# KiCad board B3_panel.kicad_pcb (continued)
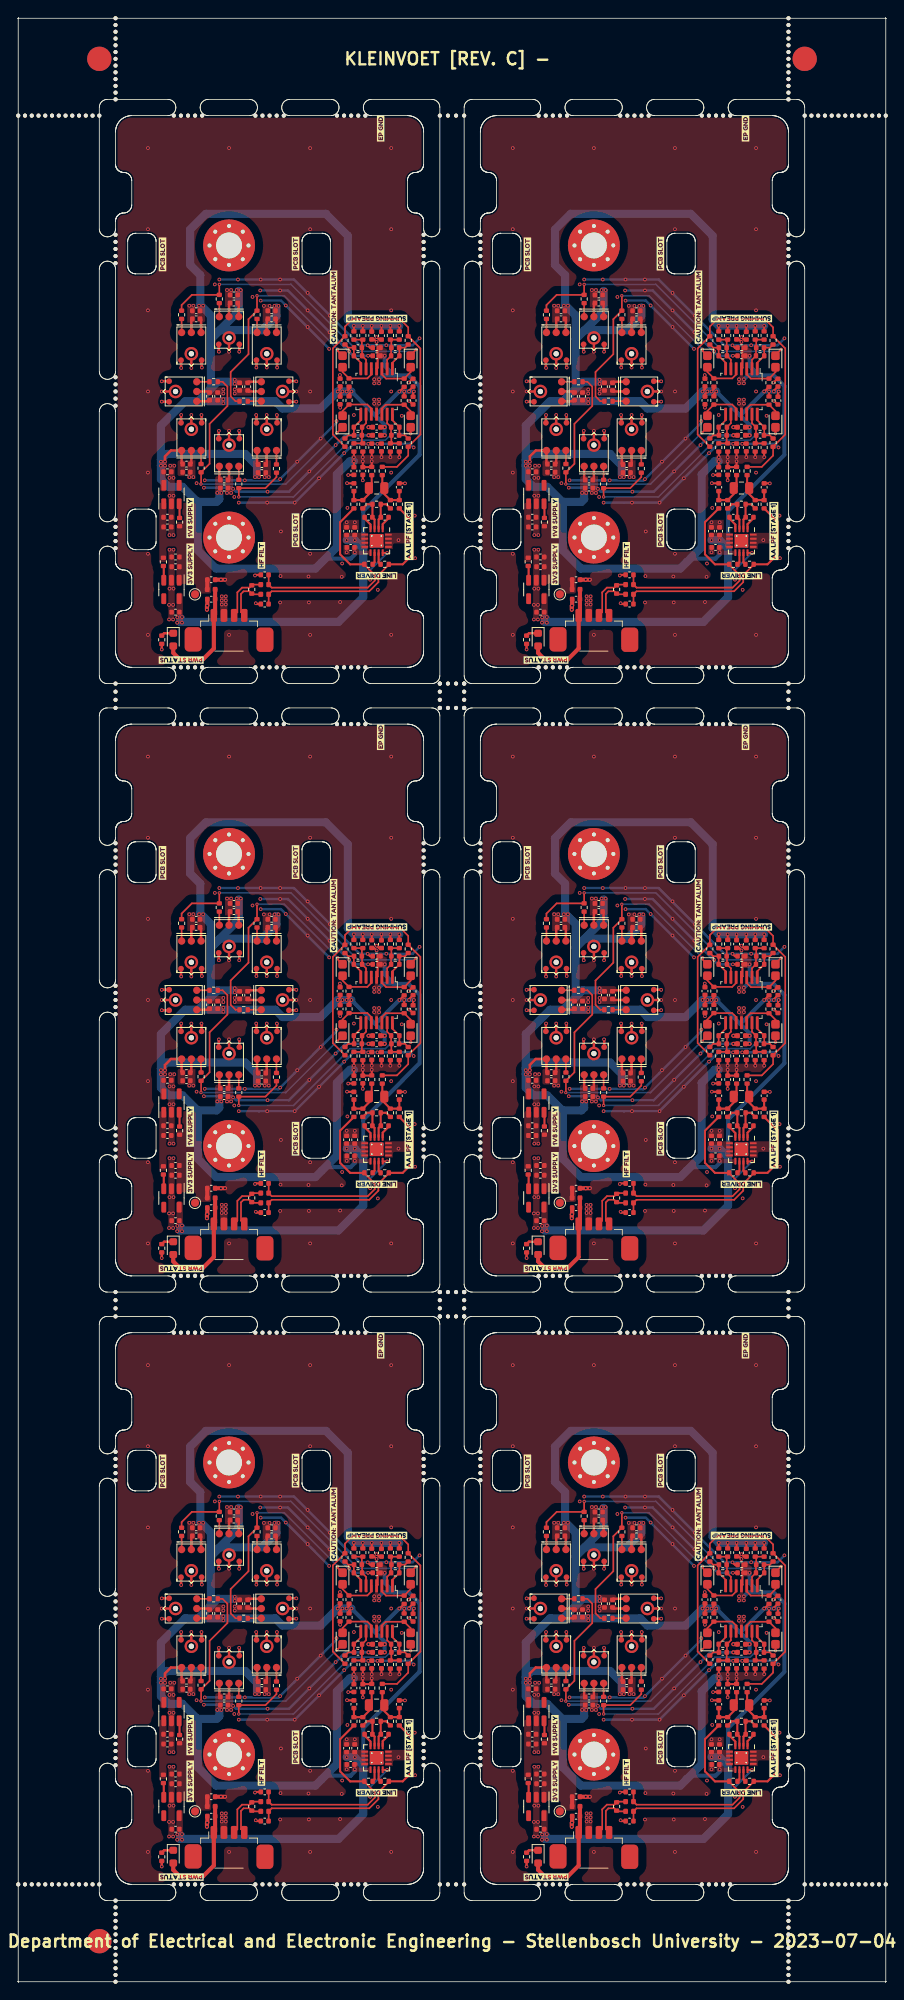
[diagram p0: board, top side]
## Nets (continued)
Board3_5-/Sensor_board/Buffer/PREAMP_B_FB: C1610.2 R1619#3.1 R1620#4.1 R1624#3.1 U1601#4.6
Board3_5-/Sensor_board/Buffer/PREAMP_B_OUT: C1610.1 R1624#3.2 R1625#5.2 U1601#4.7
Board3_5-/Sensor_board/Buffer/PREAMP_C_FB: C1612#6.2 R1631#6.1 R1632#6.1 R1634#4.1 U1601#4.9
Board3_5-/Sensor_board/Buffer/PREAMP_C_OUT: C1612#6.1 R1634#4.2 R1635#3.2 U1601#4.8
Board3_5-/Sensor_board/Buffer/PREAMP_D_FB: C1611#2.2 R1626#6.1 R1627#6.1 R1629#5.1 U1601#4.13
Board3_5-/Sensor_board/Buffer/PREAMP_D_OUT: C1611#2.1 R1629#5.2 R1630#4.2 U1601#4.14
Board3_5-/Sensor_board/Buffer/SENS_ARRAY_A: C1608#2.2 R1621#3.2 U1601#4.3
Board3_5-/Sensor_board/Buffer/SENS_ARRAY_B: C1614#3.2 R1622.2 U1601#4.5
Board3_5-/Sensor_board/Buffer/SENS_ARRAY_C: C1609.2 R1633#2.2 U1601#4.10
Board3_5-/Sensor_board/Buffer/SENS_ARRAY_D: C1613#3.2 R1628.2 U1601#4.12
Board3_5-/Sensor_board/Preamplifier/FB: C1603.1 U1701#4.4
Board3_5-/Sensor_board/Preamplifier/FDA_IN: C1602#5.2 C1604#3.2 R1604#6.1 U1701#4.2
Board3_5-/Sensor_board/Preamplifier/FDA_~{IN}: C1602#5.1 C1603.2 R1603.1 U1701#4.3
Board3_5-/Sensor_board/Preamplifier/OUT: R1607#2.2 U1701#4.10
Board3_5-/Sensor_board/Preamplifier/SIG_N: C1102#5.2 FB1102#6.2 R1606#4.1 R1608#4.1
Board3_5-/Sensor_board/Preamplifier/SIG_P: C1101#2.1 FB1101#5.2 R1605.1 R1607#2.1
Board3_5-/Sensor_board/Preamplifier/~{FB}: C1604#3.1 U1701#4.1
Board3_5-/Sensor_board/Preamplifier/~{OUT}: R1608#4.2 U1701#4.11
Board3_5-/Sensor_board/Sensor_Conn_3/SIG_CONN_N: FB1102#6.1 J1101#4.1 R1101.2
Board3_5-/Sensor_board/Sensor_Conn_3/SIG_CONN_P: FB1101#5.1 J1101#4.2 R1101.1
Board3_5-/Sensor_board/SUM_OUT_P: R1602.2 R1623#6.1 R1625#5.1 R1630#4.1 R1635#3.1
Board3_5-GND_SENSOR: C1001#6.2 C1002#3.2 C1003#5.2 C1004#5.2 C1005#3.2 C1006#2.2 C1007#6.2 C1008#3.2 C1009#3.2 C1101#2.2 C1102#5.1 C1401#6.2 C1402#6.2 C1501#4.2 C1503#6.2 C1504.2 C1505#5.2 C1506#5.2 C1507#3.2 C1508#5.2 C1605#3.1 C1606.1 C1607#2.1 CB1001#6.2 CB1002#2.2 CB1003#6.2 CB1401.2 CB1402#4.2 CB1403#4.2 CB1404#6.2 CB1405#3.2 CB1406.2 CB1407#6.2 CB1408#6.2 CB1502#6.2 CB1601#3.2 CB1602#5.2 CB1603#4.2 CB1604#4.2 CB1605#4.2 CB1606#3.2 CB1607#2.2 CB1608#3.2 CB1609#3.2 CB1610.2 H1001.1 H1002#6.1 J1101#4.3 MK1401#6.2 MK1401#6.3 MK1401#6.4 MK1401#6.6 MK1402#5.2 MK1402#5.3 MK1402#5.4 MK1402#5.6 MK1403#3.2 MK1403#3.3 MK1403#3.4 MK1403#3.6 MK1404#5.2 MK1404#5.3 MK1404#5.4 MK1404#5.6 MK1405#6.2 MK1405#6.3 MK1405#6.4 MK1405#6.6 MK1406#2.2 MK1406#2.3 MK1406#2.4 MK1406#2.6 MK1407.2 MK1407.3 MK1407.4 MK1407.6 MK1408.2 MK1408.3 MK1408.4 MK1408.6 R1002#3.2 U1001.2 U1002#3.2 U1601#4.11 U1701#4.13 U1701#4.14 U1701#4.15 U1701#4.16 U1701#4.17
Board3_5-Net-(C1601-Pad1): C1601.1 C1606.2 R1601#6.1 R1603.2 R1605.2
Board3_5-Net-(C1601-Pad2): C1601.2 C1607#2.2 R1602.1 R1604#6.2 R1606#4.2
Board3_5-Net-(D1001-K): D1001#6.1 R1002#3.1
Board3_5-Net-(U1001-EN): R1001#5.2 U1001.3
Board3_5-Net-(U1002-EN): R1003#3.2 U1002#3.3
Board3_5-unconnected-(U1001-NC-Pad4): U1001.4
Board3_5-unconnected-(U1002-NC-Pad4): U1002#3.4
Board3_5-VCC_SENSOR: C1003#5.1 D1001#6.2 FB1001#4.1 J1101#4.4

## Via types
v1: diameter 0.45, hole 0.25, Top to Bottom, 1338 vias
v2: diameter 0.4, hole 0.2, Top to Bottom, 48 vias

## Routing (per net, layer and track width the routed paths; a pad name or vN(x,y) marks a point on that pad's centre or on a via; arc(x,y) is an arc through that point)
Board3_0-/Sensor_board/VCC_FILT: length 1.2
  Top w0.5: FB1001#5.2 23.31,172.8 C1005#2.1
Board3_1-/Sensor_board/VCC_FILT: length 1.2
  Top w0.5: C1005#5.1 68.31,172.8 FB1001#6.2
Board3_2-/Sensor_board/VCC_FILT: length 1.2
  Top w0.5: C1005#6.1 23.31,97.79 FB1001#2.2
Board3_3-/Sensor_board/VCC_FILT: length 1.2
  Top w0.5: C1005.1 68.31,97.79 FB1001.2
Board3_4-/Sensor_board/VCC_FILT: length 1.2
  Top w0.5: FB1001#3.2 23.31,22.79 C1005#4.1
Board3_5-/Sensor_board/VCC_FILT: length 1.2
  Top w0.5: C1005#3.1 68.31,22.79 FB1001#4.2
Board3_0-+1V8: length 228.4
  Top w0.25: CB1605#5.1 39.7,196.3 v1(39.4,196) ; R1620#5.2 v1(41.4,204.1) ; v1(47,196) 47.03,196 R1621.1 ; CB1609#5.1 v1(43.6,204.1) ; C1009#2.1 v1(41.4,187.4) ; R1633#4.1 40.8,195.7 v1(41.1,196) ; R1627#5.2 v1(47,187.9) ; v1(48.8,196) 48.7,195.9 CB1603#5.1 ; v1(48.2,196) 48.2,196.1 CB1606#2.1 ; CB1608#6.1 v1(43.6,187.9) ; CB1604#6.1 39.7,195.7 v1(40,196) ; R1619#6.2 v1(42.5,204.1) ; R1626#2.2 v1(45.9,187.9) ; v1(43.6,187.4) R1601.2 43.57,186.68 CB1003#4.1 v1(42.5,187.4) ; R1618.2 v1(47,204.1) ; CB1610#6.1 v1(44.8,204.1) ; R1631#3.2 v1(42.5,187.9) ; R1632.2 v1(41.4,187.9) ; R1617#5.2 v1(45.9,204.1) ; v1(40.5,196) 40.8,196.3 R1622#3.1 ; v1(47.6,196) R1628#4.1 ; CB1607.1 v1(44.8,187.9)
  Top w0.3: MK1401.5 24.8,185.22 CB1405#6.1 ; v1(18.1,187.35) 18.1,188 18.83,188.73 MK1407#5.5 20.15,187.17 C1506#3.1 ; MK1404#2.5 23.48,194.8 CB1408.1 ; MK1402.5 27.2,206.78 CB1404.1 ; CB1401#2.1 29.45,187.12 MK1405#4.5 ; MK1403#2.5 28.42,197.2 CB1407#2.1 ; CB1406#2.1 31.85,204.83 MK1408#2.5 ; MK1406#6.5 22.55,204.83 CB1402#2.1
  Top w0.5: C1008#6.1 v1(45.2,190.6) ; C1004.1 v1(45.2,191.6)
  Bottom w0.5: 44.05,193.05 v1(47,196) v1(48.2,196) v1(48.8,196) ; 44.05,193.05 v1(41.1,196) ; 44.05,193.05 45.2,191.9 v1(45.2,190.6) ; 37.44,174.96 37.88,175.4 41,175.4 41,175.4 41.51,175.91 v1(41.51,176.18)
  Bottom w1: 23.75,196.35 22.2,194.8 20.6,194.8 17.6,191.8 v1(17.6,186.85) ; 23.75,196.35 23.75,205.37 22.45,206.67 22.45,210.35 21.2,211.6 21.2,215.95 23.15,217.9 37.95,217.9 40.65,215.2 40.65,204.85 v1(41.4,204.1) v1(47,204.1) ; 23.75,196.35 24.6,197.2 26.6,197.2 ; 31.85,206.35 31.85,205.33 30.07,203.55 24.85,203.55 23.75,202.45 27.2,205.9 27.2,208.4 ; 24.8,183.38 24.8,182.72 24.48,182.4 22.1,182.4 ; 22.1,182.4 22.17,182.33 22.17,176.41 24.41,174.17 36.65,174.17 39.3,176.82 39.3,185.8 40.9,187.4 v1(41.4,187.4) ; 22.1,182.4 20.25,184.25 18.55,184.25 17.6,185.2 v1(17.6,186.85) ; 29.45,185.75 29.45,186.85 28,188.3 18.3,188.3 17.6,187.6 v1(17.6,186.85) ; 22.3,194.8 31.7,194.8 32.6,193.9 37.3,193.9 v1(39.4,196) v1(41.1,196)
  vias: v1(17.6,187.35) v1(18.1,186.85) v1(22.3,206.57) v1(22.8,206.57) v1(24.55,183.5) v1(25.05,183.5) v1(25.3,195.05) v1(25.3,194.55) v1(26.7,197.45) v1(26.7,196.95) v1(26.95,208.5) v1(27.45,208.5) v1(29.2,185.45) v1(29.7,185.45) v1(31.6,206.55) v1(32.1,206.55)
Board3_0-+3.3V_SENSOR: length 72.6
  Top w0.25: 44.32,200.4 44.32,201.55 ; 44.32,200.4 44.32,198.93 U1601#6.4 ; 44.32,200.4 CB1502.1 ; U1701#6.12 44.99,176.1 v1(45.5,176.1)
  Bottom w0.25: v1(45.5,176.1) 42.55,173.15 42.55,172.75
  Bottom w0.5: v1(44.5,197.5) 45,198 46.35,198 ; 46.35,198 45.2,199.15 v1(45.2,200.4) ; 46.35,198 48.15,198 49.5,196.65 49.5,188.2 42.55,181.25 42.55,176.64
  Bottom w1: v1(40.51,177.68) v1(41.51,177.68) 42.55,176.64 42.55,170.65 39.5,167.6 19.95,167.6 19.95,167.85 20.1,168
  vias: v1(19.62,168.16) v1(19.6,167.5) v1(20.2,168.2) v1(20.2,167.5) v1(43.9,197.5) v1(43.9,197) v1(44.5,197)
Board3_0-/Sensor_board/Buffer/IN0: length 1.6
  Top w0.2: MK1404#2.1 R1609#6.1
Board3_0-/Sensor_board/Buffer/IN1: length 1.7
  Top w0.2: R1614.1 MK1406#6.1
Board3_0-/Sensor_board/Buffer/IN2: length 1.7
  Top w0.2: R1611#3.1 MK1402.1
Board3_0-/Sensor_board/Buffer/IN3: length 1.7
  Top w0.2: R1616#3.1 MK1408#2.1
Board3_0-/Sensor_board/Buffer/IN4: length 1.7
  Top w0.2: R1610#3.1 MK1403#2.1
Board3_0-/Sensor_board/Buffer/IN5: length 1.7
  Top w0.2: MK1405#4.1 R1613#3.1
Board3_0-/Sensor_board/Buffer/IN6: length 1.7
  Top w0.2: MK1401.1 R1612.1
Board3_0-/Sensor_board/Buffer/IN7: length 1.7
  Top w0.2: MK1407#5.1 R1615#5.1
Board3_0-/Sensor_board/Buffer/PAIR_A: length 36
  Top w0.2: R1614.2 20.15,206.65 21.41,207.91 R1611#3.2 v2(24.8,209.2) ; 48.4,200.5 49.09,201.19 v2(49.1,201.19)
  Bottom w0.2: v2(49.1,201.19) 48.86,200.95 41.9,200.95 33.65,209.2 v2(24.8,209.2)
Board3_0-/Sensor_board/Buffer/PAIR_B: length 28.8
  Top w0.2: 40,200.4 39.4,201 v2(39.4,201.2) ; v2(29.45,207.8) R1616#3.2 28.4,204.91 28.4,200.6 26.2,198.4 26.2,195.4 26.8,194.8 R1610#3.2
  Bottom w0.2: v2(39.4,201.2) 32.8,207.8 v2(29.45,207.8)
Board3_0-/Sensor_board/Buffer/PAIR_C: length 35.2
  Top w0.2: R1609#6.2 25.2,197.2 25.8,196.6 25.8,194.21 23.6,192.01 23.6,187.09 R1615#5.2 22.55,184.6 v2(22.54,184.59) ; v2(39.3,190.9) 39.31,190.9 C1609#2.1
  Bottom w0.2: v2(22.54,184.59) 32.99,184.59 v2(39.3,190.9)
Board3_0-/Sensor_board/Buffer/PAIR_D: length 32.1
  Top w0.2: v2(48.4,190.8) C1613#5.1 ; v2(27.2,183) R1612.2 30.49,184.09 31.85,185.45 R1613#3.2
  Bottom w0.2: v2(27.2,183) 33.95,183 40.95,190 45.28,190 46.07,190.8 v2(48.4,190.8)
Board3_0-/Sensor_board/Buffer/PREAMP_A_FB: length 5
  Top w0.2: R1618.1 R1617#5.1 46.02,202.27 C1502#6.2 45.99,201.37 R1514#3.1 45.5,199.91 U1601#6.2
Board3_0-/Sensor_board/Buffer/PREAMP_A_OUT: length 4.3
  Top w0.2: R1623#2.2 47.71,201.4 C1502#6.1 47.01,201.37 R1514#3.2 46.15,199.54 U1601#6.1
Board3_0-/Sensor_board/Buffer/PREAMP_B_FB: length 5
  Top w0.2: R1620#5.1 R1619#6.1 42.38,202.27 C1610#4.2 42.41,201.37 R1624#5.1 42.9,199.91 U1601#6.6
Board3_0-/Sensor_board/Buffer/PREAMP_B_OUT: length 4.3
  Top w0.2: R1625#6.2 40.69,201.4 C1610#4.1 41.39,201.37 R1624#5.2 42.25,199.54 U1601#6.7
Board3_0-/Sensor_board/Buffer/PREAMP_C_FB: length 5
  Top w0.2: R1632.1 R1631#3.1 42.38,189.73 C1612#5.2 42.41,190.63 R1634#3.1 42.9,192.09 U1601#6.9
Board3_0-/Sensor_board/Buffer/PREAMP_C_OUT: length 4.3
  Top w0.2: R1635#2.2 40.69,190.6 C1612#5.1 41.39,190.63 R1634#3.2 42.25,192.46 U1601#6.8
Board3_0-/Sensor_board/Buffer/PREAMP_D_FB: length 5
  Top w0.2: R1627#5.1 R1626#2.1 46.02,189.73 C1611#5.2 45.99,190.63 R1629#4.1 45.5,192.09 U1601#6.13
Board3_0-/Sensor_board/Buffer/PREAMP_D_OUT: length 4.3
  Top w0.2: U1601#6.14 46.15,192.46 R1629#4.2 47.01,190.63 C1611#5.1 47.71,190.6 R1630#5.2
Board3_0-/Sensor_board/Buffer/SENS_ARRAY_A: length 5.4
  Top w0.2: C1608#6.2 48.4,198.39 R1621.2 45.36,197.59 44.85,198.1 U1601#6.3
Board3_0-/Sensor_board/Buffer/SENS_ARRAY_B: length 5.4
  Top w0.2: U1601#6.5 43.55,198.1 43.06,197.61 R1622#3.2 40,198.41 C1614#5.2
Board3_0-/Sensor_board/Buffer/SENS_ARRAY_C: length 5.4
  Top w0.2: C1609#2.2 40,193.59 R1633#4.2 43.06,194.39 43.55,193.9 U1601#6.10
Board3_0-/Sensor_board/Buffer/SENS_ARRAY_D: length 5.3
  Top w0.2: U1601#6.12 44.85,193.9 45.32,194.37 R1628#4.2 48.4,193.57 C1613#5.2
Board3_0-/Sensor_board/Preamplifier/FB: length 1.7
  Top w0.25: C1603#6.1 42.72,180.33 43.45,179.6 U1701#6.4
Board3_0-/Sensor_board/Preamplifier/FDA_IN: length 4.6
  Top w0.25: U1701#6.2 44.45,180.23 C1604#2.2 44.71,180.51 C1602#6.2 45.39,182.1 R1604#2.1
Board3_0-/Sensor_board/Preamplifier/FDA_~{IN}: length 4.6
  Top w0.25: U1701#6.3 43.95,180.23 C1603#6.2 43.69,180.51 C1602#6.1 43.01,182.1 R1603#5.1
Board3_0-/Sensor_board/Preamplifier/OUT: length 1.5
  Top w0.25: U1701#6.10 43.95,174.94 R1607#6.2
Board3_0-/Sensor_board/Preamplifier/SIG_N: length 27.8
  Top w0.2: C1102#2.2 30.88,169.81 30.88,171 31.26,171.37 43.29,171.37 44.43,172.51 44.43,173.37 45.71,174.65 R1608.1
  Top w0.25: R1606#5.1 48.66,179.93 48.66,175.94 47.42,174.7 45.78,174.7
Board3_0-/Sensor_board/Preamplifier/SIG_P: length 27.1
  Top w0.2: C1101#4.1 30.88,173.39 30.88,172.2 31.26,171.83 43.11,171.83 43.97,172.69 43.97,173.37 42.69,174.65 R1607#6.1
  Top w0.25: 42.57,174.69 40.94,174.69 39.7,175.93 39.7,179.89 R1605#2.1
Board3_0-/Sensor_board/Preamplifier/~{FB}: length 1.7
  Top w0.25: C1604#2.1 45.68,180.38 44.95,179.65 U1701#6.1
Board3_0-/Sensor_board/Preamplifier/~{OUT}: length 1.5
  Top w0.25: U1701#6.11 44.45,174.94 R1608.2
Board3_0-/Sensor_board/Sensor_Conn_3/SIG_CONN_N: length 5.5
  Top w0.2: FB1102.1 28.89,171 R1101#2.2 28.52,171.37 27.79,171.37 27.47,171.06 27.47,168.8 J1101.1
Board3_0-/Sensor_board/Sensor_Conn_3/SIG_CONN_P: length 6.3
  Top w0.2: J1101.2 27.03,168.8 27.03,171.24 27.61,171.83 28.52,171.83 R1101#2.1 28.89,172.2 FB1101#2.1
Board3_0-/Sensor_board/SUM_OUT_P: length 45.6
  Top w0.2: R1635#2.1 38.8,190.69 38.8,201.31 R1625#6.1 40.3,204 41.2,204.9 47.1,204.9 48.1,203.9 R1623#2.1 49.6,201.31 49.6,190.69 R1630#5.1 48.1,188.1 46.71,186.71 44.8,186.71
Board3_0-GND_SENSOR: length 175.3
  Top w0.25: v1(48.24,194.82) 48.66,194.4 CB1603#5.2 ; C1606#5.1 40.57,184.68 v1(40.55,184.7) ; v1(29.3,169.9) 29.4,169.8 C1102#2.1 ; v1(39.7,194) 39.7,194 CB1604#6.2 ; v1(44.2,202.7) 44.5,202.4 CB1610#6.2 ; C1607#5.1 47.69,184.68 v1(47.7,184.68) ; C1009#2.2 40.72,185.72 v1(40.7,185.7) ; v1(44.2,202.1) 43.88,202.42 CB1609#5.2 ; v1(43.17,189.55) 43.2,189.58 CB1608#6.2 ; v1(48.15,197.1) 48.61,197.56 CB1606#2.2 ; v1(43.1,201.69) 43.39,201.4 C1504#6.2 ; CB1003#4.2 v1(42.5,185.05) ; v1(44.3,189.55) 44.33,189.58 CB1607.2 ; v1(39.68,198.03) 39.7,198 CB1605#5.2 ; C1101#4.2 29.28,173.4 v1(29.2,173.32) ; CB1502.2 v1(43.15,200.4)
  Top w0.3: v1(27.25,200.9) 27.27,200.92 MK1402.4 ; CB1408.2 23.48,196 MK1404#2.6 ; v1(17.7,197.25) 17.72,197.27 MK1404#2.2 ; MK1401.2 27.27,191.13 v1(27.25,191.15) ; v1(29.38,198.95) 29.38,198.95 MK1408#2.2 ; MK1405#4.3 v1(30.65,193.1) ; v1(29.35,193.1) 29.38,193.07 MK1405#4.4 ; C1506#3.2 21.35,187.17 MK1407#5.6 ; MK1406#6.2 20.08,198.92 v1(20.1,198.9) ; MK1402.6 26,206.78 CB1404.2 ; v1(22.6,193.1) 22.62,193.08 MK1407#5.2 ; CB1401#2.2 30.65,187.12 MK1405#4.6 ; v1(24.75,191.15) 24.73,191.13 MK1401.4 ; MK1406#6.6 21.35,204.83 CB1402#2.2 ; MK1401.6 26,185.22 CB1405#6.2 ; R1002#2.2 v1(17.7,164.2) ; MK1403#2.4 34.28,197.27 v1(34.3,197.25) ; v1(17.7,194.75) 17.72,194.73 MK1404#2.4 ; MK1402.2 24.73,200.92 v1(24.75,200.9) ; v1(31.9,193.1) 31.92,193.08 MK1405#4.2 ; CB1406#2.2 30.65,204.83 MK1408#2.6 ; MK1402.3 v1(26,200.9) ; MK1401.3 v1(26,191.15) ; MK1408#2.4 31.92,198.95 v1(31.93,198.95) ; MK1403#2.2 34.28,194.73 v1(34.3,194.75) ; MK1404#2.3 v1(17.7,196) ; v1(20.1,193.1) 20.08,193.08 MK1407#5.4 ; MK1408#2.3 v1(30.65,198.95) ; MK1403#2.3 v1(34.3,196) ; MK1406#6.4 22.62,198.98 v1(22.65,198.95) ; MK1407#5.3 v1(21.35,193.1) ; MK1406#6.3 v1(21.35,198.9) ; CB1407#2.2 28.42,196 MK1403#2.6
  Top w0.5: v1(23.28,169.1) 23.28,169.57 v1(23.3,169.6) 23.32,169.62 C1003#4.2 ; C1004.2 v1(43.2,191.6) ; C1005#2.2 v1(25,172.8) v1(25.5,172.8) ; C1008#6.2 v1(43.2,190.6)
  Bottom w0.2: 28.9,185 31.2,185
  Bottom w0.3: v1(22.9,184.14) 22.91,184.15 24.48,184.15 24.48,184.15 25.12,184.15 25.12,184.15 26.35,184.15 v1(26.5,184) 26.85,183.65 v1(30.75,183.65) 33.4,183.65 v1(35.9,186.15) v1(39.15,189.4) 40.35,190.6 v1(43.2,190.6) ; v1(39.25,192.35) 39.25,192.15 v1(37.3,190.2) 34.45,187.35 v1(34.4,187.35) 34.4,187.3 v1(32.3,185.2) 32.1,185 31.2,185 ; v1(49.5,202.55) 48.64,201.69 45.41,201.69 v1(45.4,201.7) 45.39,201.69 v1(43.1,201.69) 43.09,201.7 42.1,201.7 v1(38.45,205.35) 35.7,208.1 v1(35.7,208.15) 35.65,208.15 34,209.8 v1(32.3,209.8) v1(29.9,209.8) v1(27.1,209.8) v1(24.8,209.8) ; v1(38.35,201.25) 38.35,201.25 35.7,203.9 v1(35.7,203.95) 35.65,203.95 v1(33,206.6) 32.4,207.2 29.9,207.2 v1(29.9,207.2) ; v1(23,185.05) v1(27.95,185.05) 28.85,185.05 ; v1(43.15,200.4) 41.3,200.4 40.82,200.88 v1(40.82,200.95) 40.75,200.95 v1(38.4,203.3) v1(35.7,206) 33.25,208.45 v1(32.3,208.45) v1(29.85,208.45) ; v1(48.77,189.1) 48.32,189.55 v1(43.17,189.55) 41.35,189.55 v1(40.2,188.4) v1(37.1,185.3) v1(34.1,182.3) v1(27.2,182.3)
  vias: v1(16,226) v1(16,216) v1(16,206) v1(16,196) v1(16,186) v1(16,176) v1(16,166) v1(18.6,169.7) v1(18.6,167.9) v1(18.75,186.85) v1(18.65,185.35) v1(18.65,183.15) v1(18.65,178.3) v1(18.65,176.5) v1(18.65,171.7) v1(19.1,169.7) v1(19.1,167.9) v1(19.15,185.35) v1(19.15,183.15) v1(19.15,178.3) v1(19.15,176.5) v1(19.15,171.7) v1(19.25,186.85) v1(21.1,206.57) v1(21.1,185.45) v1(21.6,206.57) v1(21.6,185.45) v1(22,184.7) v1(24.25,209.2) v1(25.1,170.75) v1(25.1,170.25) v1(25.1,169.75) v1(25.3,196.25) v1(25.3,195.75) v1(25.6,170.75) v1(25.6,170.25) v1(25.6,169.75) v1(25.75,208.5) v1(25.75,183.5) v1(26,226) v1(26,166) v1(26.25,208.5) v1(26.25,183.5) v1(26.65,183) v1(26.7,196.25) v1(26.7,195.75) v1(28.9,207.65) v1(30.3,206.55) v1(30.4,185.45) v1(30.7,182.3) v1(30.9,185.45) v1(31,206.55) v1(32.35,173.25) v1(32.3,170) v1(32.4,178.75) v1(35.8,173.2) v1(35.85,170) v1(36,226) v1(36,216) v1(36,196) v1(36,176) v1(36,166) v1(39.7,170.05) v1(39.95,174.8) v1(39.9,173.15) v1(40.51,179.88) v1(40.51,176.18) v1(40.6,181.65) v1(41.4,193.1) v1(41.51,179.88) v1(43.4,172.8) v1(43.9,195) v1(43.9,194.5) v1(44.35,171.55) v1(44.5,195) v1(44.5,194.5) v1(46,226) v1(46,216) v1(46,206) v1(46,196) v1(46,186) v1(46,166) v1(46.9,177.68) v1(47.3,193) v1(47.9,177.68) v1(48.9,180.7) v1(48.95,175.45)
Board3_0-Net-(C1601-Pad1): length 5.7
  Top w0.25: R1601.1 43.6,184.28 43.43,184.1 43.43,183.53 R1603#5.2 R1605#2.2 C1606#5.2
Board3_0-Net-(C1601-Pad2): length 5.7
  Top w0.25: R1602#3.1 44.9,184.18 44.97,184.1 44.97,183.53 R1604#2.2 R1606#5.2 C1607#5.2
Board3_0-Net-(D1001-K): length 1.5
  Top w0.3: R1002#2.1 18,166.2 D1001#2.1
Board3_0-Net-(U1001-EN): length 1.8
  Top w0.25: R1001.2 19.9,182.11 U1001#3.3
Board3_0-Net-(U1002-EN): length 1.8
  Top w0.25: R1003#4.2 17.95,174.44 U1002#6.3
Board3_0-VCC_SENSOR: length 14.1
  Top w0.5: D1001#2.2 19.12,163.78 19.9,163 22.8,163 24.12,164.32 J1101.4 24.28,168.56 C1003#4.1 24.28,171.59 24.28,171.6
Board3_1-+1V8: length 228.4
  Top w0.25: CB1603#2.1 93.7,195.9 v1(93.8,196) ; CB1609#6.1 v1(88.6,204.1) ; v1(92.6,196) R1628#2.1 ; R1627#2.2 v1(92,187.9) ; R1631#4.2 v1(87.5,187.9) ; CB1607#6.1 v1(89.8,187.9) ; R1632#2.2 v1(86.4,187.9) ; v1(86.1,196) 85.8,195.7 R1633#5.1 ; R1621#6.1 92.03,196 v1(92,196) ; v1(84.4,196) 84.7,196.3 CB1605#6.1 ; v1(85.5,196) 85.8,196.3 R1622#5.1 ; R1619#5.2 v1(87.5,204.1) ; CB1610#5.1 v1(89.8,204.1) ; R1620#6.2 v1(86.4,204.1) ; R1618#6.2 v1(92,204.1) ; R1626.2 v1(90.9,187.9) ; v1(87.5,187.4) CB1003#3.1 88.57,186.68 R1601#3.2 v1(88.6,187.4) ; CB1606#5.1 93.2,196.1 v1(93.2,196) ; CB1608#2.1 v1(88.6,187.9) ; CB1604#2.1 84.7,195.7 v1(85,196) ; R1617#4.2 v1(90.9,204.1) ; C1009#6.1 v1(86.4,187.4)
  Top w0.3: CB1401#5.1 74.45,187.12 MK1405#3.5 ; CB1405#5.1 69.8,185.22 MK1401#3.5 ; MK1406.5 67.55,204.83 CB1402.1 ; C1506#4.1 65.15,187.17 MK1407#3.5 63.83,188.73 63.1,188 v1(63.1,187.35) ; CB1406#5.1 76.85,204.83 MK1408#3.5 ; MK1403#4.5 73.42,197.2 CB1407#3.1 ; CB1404#4.1 72.2,206.78 MK1402#3.5 ; CB1408#2.1 68.48,194.8 MK1404#6.5
  Top w0.5: C1008.1 v1(90.2,190.6) ; C1004#3.1 v1(90.2,191.6)
  Bottom w0.5: v1(86.1,196) 89.05,193.05 ; 89.05,193.05 90.2,191.9 v1(90.2,190.6) ; 89.05,193.05 v1(92,196) v1(93.2,196) v1(93.8,196) ; v1(86.51,176.18) 86.51,175.91 86,175.4 86,175.4 82.88,175.4 82.44,174.96
  Bottom w1: v1(92,204.1) v1(86.4,204.1) 85.65,204.85 85.65,215.2 82.95,217.9 68.15,217.9 66.2,215.95 66.2,211.6 67.45,210.35 67.45,206.67 68.75,205.37 68.75,196.35 ; 72.2,208.4 72.2,205.9 68.75,202.45 69.85,203.55 75.07,203.55 76.85,205.33 76.85,206.35 ; v1(86.1,196) v1(84.4,196) 82.3,193.9 77.6,193.9 76.7,194.8 67.3,194.8 ; v1(62.6,186.85) 62.6,191.8 65.6,194.8 67.2,194.8 68.75,196.35 ; v1(62.6,186.85) 62.6,187.6 63.3,188.3 73,188.3 74.45,186.85 74.45,185.75 ; v1(62.6,186.85) 62.6,185.2 63.55,184.25 65.25,184.25 67.1,182.4 ; 67.1,182.4 67.17,182.33 67.17,176.41 69.41,174.17 81.65,174.17 84.3,176.82 84.3,185.8 85.9,187.4 v1(86.4,187.4) ; 67.1,182.4 69.48,182.4 69.8,182.72 69.8,183.38 ; 68.75,196.35 69.6,197.2 71.6,197.2
  vias: v1(62.6,187.35) v1(63.1,186.85) v1(67.3,206.57) v1(67.8,206.57) v1(69.55,183.5) v1(70.05,183.5) v1(70.3,195.05) v1(70.3,194.55) v1(71.7,197.45) v1(71.7,196.95) v1(71.95,208.5) v1(72.45,208.5) v1(74.2,185.45) v1(74.7,185.45) v1(76.6,206.55) v1(77.1,206.55)
Board3_1-+3.3V_SENSOR: length 72.6
  Top w0.25: 89.32,200.4 89.32,201.55 ; 89.32,200.4 89.32,198.93 U1601#3.4 ; 89.32,200.4 CB1502#2.1 ; U1701#3.12 89.99,176.1 v1(90.5,176.1)
  Bottom w0.25: 87.55,172.75 87.55,173.15 v1(90.5,176.1)
  Bottom w0.5: v1(89.5,197.5) 90,198 91.35,198 ; 91.35,198 90.2,199.15 v1(90.2,200.4) ; 91.35,198 93.15,198 94.5,196.65 94.5,188.2 87.55,181.25 87.55,176.64
  Bottom w1: 65.1,168 64.95,167.85 64.95,167.6 84.5,167.6 87.55,170.65 87.55,176.64 v1(86.51,177.68) v1(85.51,177.68)
  vias: v1(64.62,168.16) v1(64.6,167.5) v1(65.2,168.2) v1(65.2,167.5) v1(88.9,197.5) v1(88.9,197) v1(89.5,197)
Board3_1-/Sensor_board/Buffer/IN0: length 1.6
  Top w0.2: MK1404#6.1 R1609#4.1
Board3_1-/Sensor_board/Buffer/IN1: length 1.7
  Top w0.2: R1614#4.1 MK1406.1
Board3_1-/Sensor_board/Buffer/IN2: length 1.7
  Top w0.2: R1611#6.1 MK1402#3.1
Board3_1-/Sensor_board/Buffer/IN3: length 1.7
  Top w0.2: R1616#6.1 MK1408#3.1
Board3_1-/Sensor_board/Buffer/IN4: length 1.7
  Top w0.2: R1610#2.1 MK1403#4.1
Board3_1-/Sensor_board/Buffer/IN5: length 1.7
  Top w0.2: MK1405#3.1 R1613#6.1
Board3_1-/Sensor_board/Buffer/IN6: length 1.7
  Top w0.2: MK1401#3.1 R1612#2.1
Board3_1-/Sensor_board/Buffer/IN7: length 1.7
  Top w0.2: MK1407#3.1 R1615#6.1
Board3_1-/Sensor_board/Buffer/PAIR_A: length 36
  Top w0.2: R1614#4.2 65.15,206.65 66.41,207.91 R1611#6.2 v2(69.8,209.2) ; 93.4,200.5 94.09,201.19 v2(94.1,201.19)
  Bottom w0.2: v2(69.8,209.2) 78.65,209.2 86.9,200.95 93.86,200.95 v2(94.1,201.19)
Board3_1-/Sensor_board/Buffer/PAIR_B: length 28.8
  Top w0.2: 85,200.4 84.4,201 v2(84.4,201.2) ; v2(74.45,207.8) R1616#6.2 73.4,204.91 73.4,200.6 71.2,198.4 71.2,195.4 71.8,194.8 R1610#2.2
  Bottom w0.2: v2(74.45,207.8) 77.8,207.8 v2(84.4,201.2)
Board3_1-/Sensor_board/Buffer/PAIR_C: length 35.2
  Top w0.2: C1609#5.1 84.31,190.9 v2(84.3,190.9) ; R1609#4.2 70.2,197.2 70.8,196.6 70.8,194.21 68.6,192.01 68.6,187.09 R1615#6.2 67.55,184.6 v2(67.54,184.59)
  Bottom w0.2: v2(67.54,184.59) 77.99,184.59 v2(84.3,190.9)
Board3_1-/Sensor_board/Buffer/PAIR_D: length 32.1
  Top w0.2: v2(93.4,190.8) C1613#4.1 ; R1613#6.2 76.85,185.45 75.49,184.09 R1612#2.2 v2(72.2,183)
  Bottom w0.2: v2(72.2,183) 78.95,183 85.95,190 90.28,190 91.07,190.8 v2(93.4,190.8)
Board3_1-/Sensor_board/Buffer/PREAMP_A_FB: length 5
  Top w0.2: U1601#3.2 90.5,199.91 R1514#2.1 90.99,201.37 C1502#2.2 91.02,202.27 R1617#4.1 R1618#6.1
Board3_1-/Sensor_board/Buffer/PREAMP_A_OUT: length 4.3
  Top w0.2: R1623#3.2 92.71,201.4 C1502#2.1 92.01,201.37 R1514#2.2 91.15,199.54 U1601#3.1
Board3_1-/Sensor_board/Buffer/PREAMP_B_FB: length 5
  Top w0.2: U1601#3.6 87.9,199.91 R1624#4.1 87.41,201.37 C1610#3.2 87.38,202.27 R1619#5.1 R1620#6.1
Board3_1-/Sensor_board/Buffer/PREAMP_B_OUT: length 4.3
  Top w0.2: R1625#3.2 85.69,201.4 C1610#3.1 86.39,201.37 R1624#4.2 87.25,199.54 U1601#3.7
Board3_1-/Sensor_board/Buffer/PREAMP_C_FB: length 5
  Top w0.2: U1601#3.9 87.9,192.09 R1634#6.1 87.41,190.63 C1612.2 87.38,189.73 R1631#4.1 R1632#2.1
Board3_1-/Sensor_board/Buffer/PREAMP_C_OUT: length 4.3
  Top w0.2: R1635#4.2 85.69,190.6 C1612.1 86.39,190.63 R1634#6.2 87.25,192.46 U1601#3.8
Board3_1-/Sensor_board/Buffer/PREAMP_D_FB: length 5
  Top w0.2: U1601#3.13 90.5,192.09 R1629#3.1 90.99,190.63 C1611#3.2 91.02,189.73 R1626.1 R1627#2.1
Board3_1-/Sensor_board/Buffer/PREAMP_D_OUT: length 4.3
  Top w0.2: U1601#3.14 91.15,192.46 R1629#3.2 92.01,190.63 C1611#3.1 92.71,190.6 R1630.2
Board3_1-/Sensor_board/Buffer/SENS_ARRAY_A: length 5.4
  Top w0.2: U1601#3.3 89.85,198.1 90.36,197.59 R1621#6.2 93.4,198.39 C1608#4.2
Board3_1-/Sensor_board/Buffer/SENS_ARRAY_B: length 5.4
  Top w0.2: C1614#2.2 85,198.41 R1622#5.2 88.06,197.61 88.55,198.1 U1601#3.5
Board3_1-/Sensor_board/Buffer/SENS_ARRAY_C: length 5.4
  Top w0.2: C1609#5.2 85,193.59 R1633#5.2 88.06,194.39 88.55,193.9 U1601#3.10
Board3_1-/Sensor_board/Buffer/SENS_ARRAY_D: length 5.3
  Top w0.2: U1601#3.12 89.85,193.9 90.32,194.37 R1628#2.2 93.4,193.57 C1613#4.2
Board3_1-/Sensor_board/Preamplifier/FB: length 1.7
  Top w0.25: U1701#3.4 88.45,179.6 87.72,180.33 C1603#2.1
Board3_1-/Sensor_board/Preamplifier/FDA_IN: length 4.6
  Top w0.25: R1604#3.1 90.39,182.1 C1602#4.2 89.71,180.51 C1604#6.2 89.45,180.23 U1701#3.2
Board3_1-/Sensor_board/Preamplifier/FDA_~{IN}: length 4.6
  Top w0.25: U1701#3.3 88.95,180.23 C1603#2.2 88.69,180.51 C1602#4.1 88.01,182.1 R1603#4.1
Board3_1-/Sensor_board/Preamplifier/OUT: length 1.5
  Top w0.25: U1701#3.10 88.95,174.94 R1607.2
Board3_1-/Sensor_board/Preamplifier/SIG_N: length 27.8
  Top w0.2: C1102#4.2 75.88,169.81 75.88,171 76.26,171.37 88.29,171.37 89.43,172.51 89.43,173.37 90.71,174.65 R1608#6.1
  Top w0.25: 90.78,174.7 92.42,174.7 93.66,175.94 93.66,179.93 R1606#2.1
Board3_1-/Sensor_board/Preamplifier/SIG_P: length 27.1
  Top w0.2: C1101#3.1 75.88,173.39 75.88,172.2 76.26,171.83 88.11,171.83 88.97,172.69 88.97,173.37 87.69,174.65 R1607.1
  Top w0.25: 87.57,174.69 85.94,174.69 84.7,175.93 84.7,179.89 R1605#5.1
Board3_1-/Sensor_board/Preamplifier/~{FB}: length 1.7
  Top w0.25: U1701#3.1 89.95,179.65 90.68,180.38 C1604#6.1
Board3_1-/Sensor_board/Preamplifier/~{OUT}: length 1.5
  Top w0.25: U1701#3.11 89.45,174.94 R1608#6.2
Board3_1-/Sensor_board/Sensor_Conn_3/SIG_CONN_N: length 5.5
  Top w0.2: FB1102#4.1 73.89,171 R1101#4.2 73.52,171.37 72.79,171.37 72.47,171.06 72.47,168.8 J1101#5.1
Board3_1-/Sensor_board/Sensor_Conn_3/SIG_CONN_P: length 6.3
  Top w0.2: FB1101.1 73.89,172.2 R1101#4.1 73.52,171.83 72.61,171.83 72.03,171.24 72.03,168.8 J1101#5.2
Board3_1-/Sensor_board/SUM_OUT_P: length 45.6
  Top w0.2: 89.8,186.71 91.71,186.71 93.1,188.1 R1630.1 94.6,190.69 94.6,201.31 R1623#3.1 93.1,203.9 92.1,204.9 86.2,204.9 85.3,204 R1625#3.1 83.8,201.31 83.8,190.69 R1635#4.1
Board3_1-GND_SENSOR: length 175.3
  Top w0.25: CB1609#6.2 88.88,202.42 v1(89.2,202.1) ; CB1502#2.2 v1(88.15,200.4) ; C1606#2.1 85.57,184.68 v1(85.55,184.7) ; v1(88.17,189.55) 88.2,189.58 CB1608#2.2 ; v1(93.24,194.82) 93.66,194.4 CB1603#2.2 ; CB1606#5.2 93.61,197.56 v1(93.15,197.1) ; v1(92.7,184.68) 92.69,184.68 C1607#4.1 ; CB1607#6.2 89.33,189.58 v1(89.3,189.55) ; v1(85.7,185.7) 85.72,185.72 C1009#6.2 ; CB1604#2.2 84.7,194 v1(84.7,194) ; v1(89.2,202.7) 89.5,202.4 CB1610#5.2 ; C1102#4.1 74.4,169.8 v1(74.3,169.9) ; C1504#4.2 88.39,201.4 v1(88.1,201.69) ; C1101#3.2 74.28,173.4 v1(74.2,173.32) ; v1(84.68,198.03) 84.7,198 CB1605#6.2 ; CB1003#3.2 v1(87.5,185.05)